# Altium PCB motor2.PcbDoc
Units mil, origin at the board's own origin, x right, y up, seen from the top; angles counter-clockwise.
Board outline 3937.01 x 3937.01 mil, 2 copper layers (Top Layer, Bottom Layer); 113 components, 81 nets, 368 pads, 290 vias.
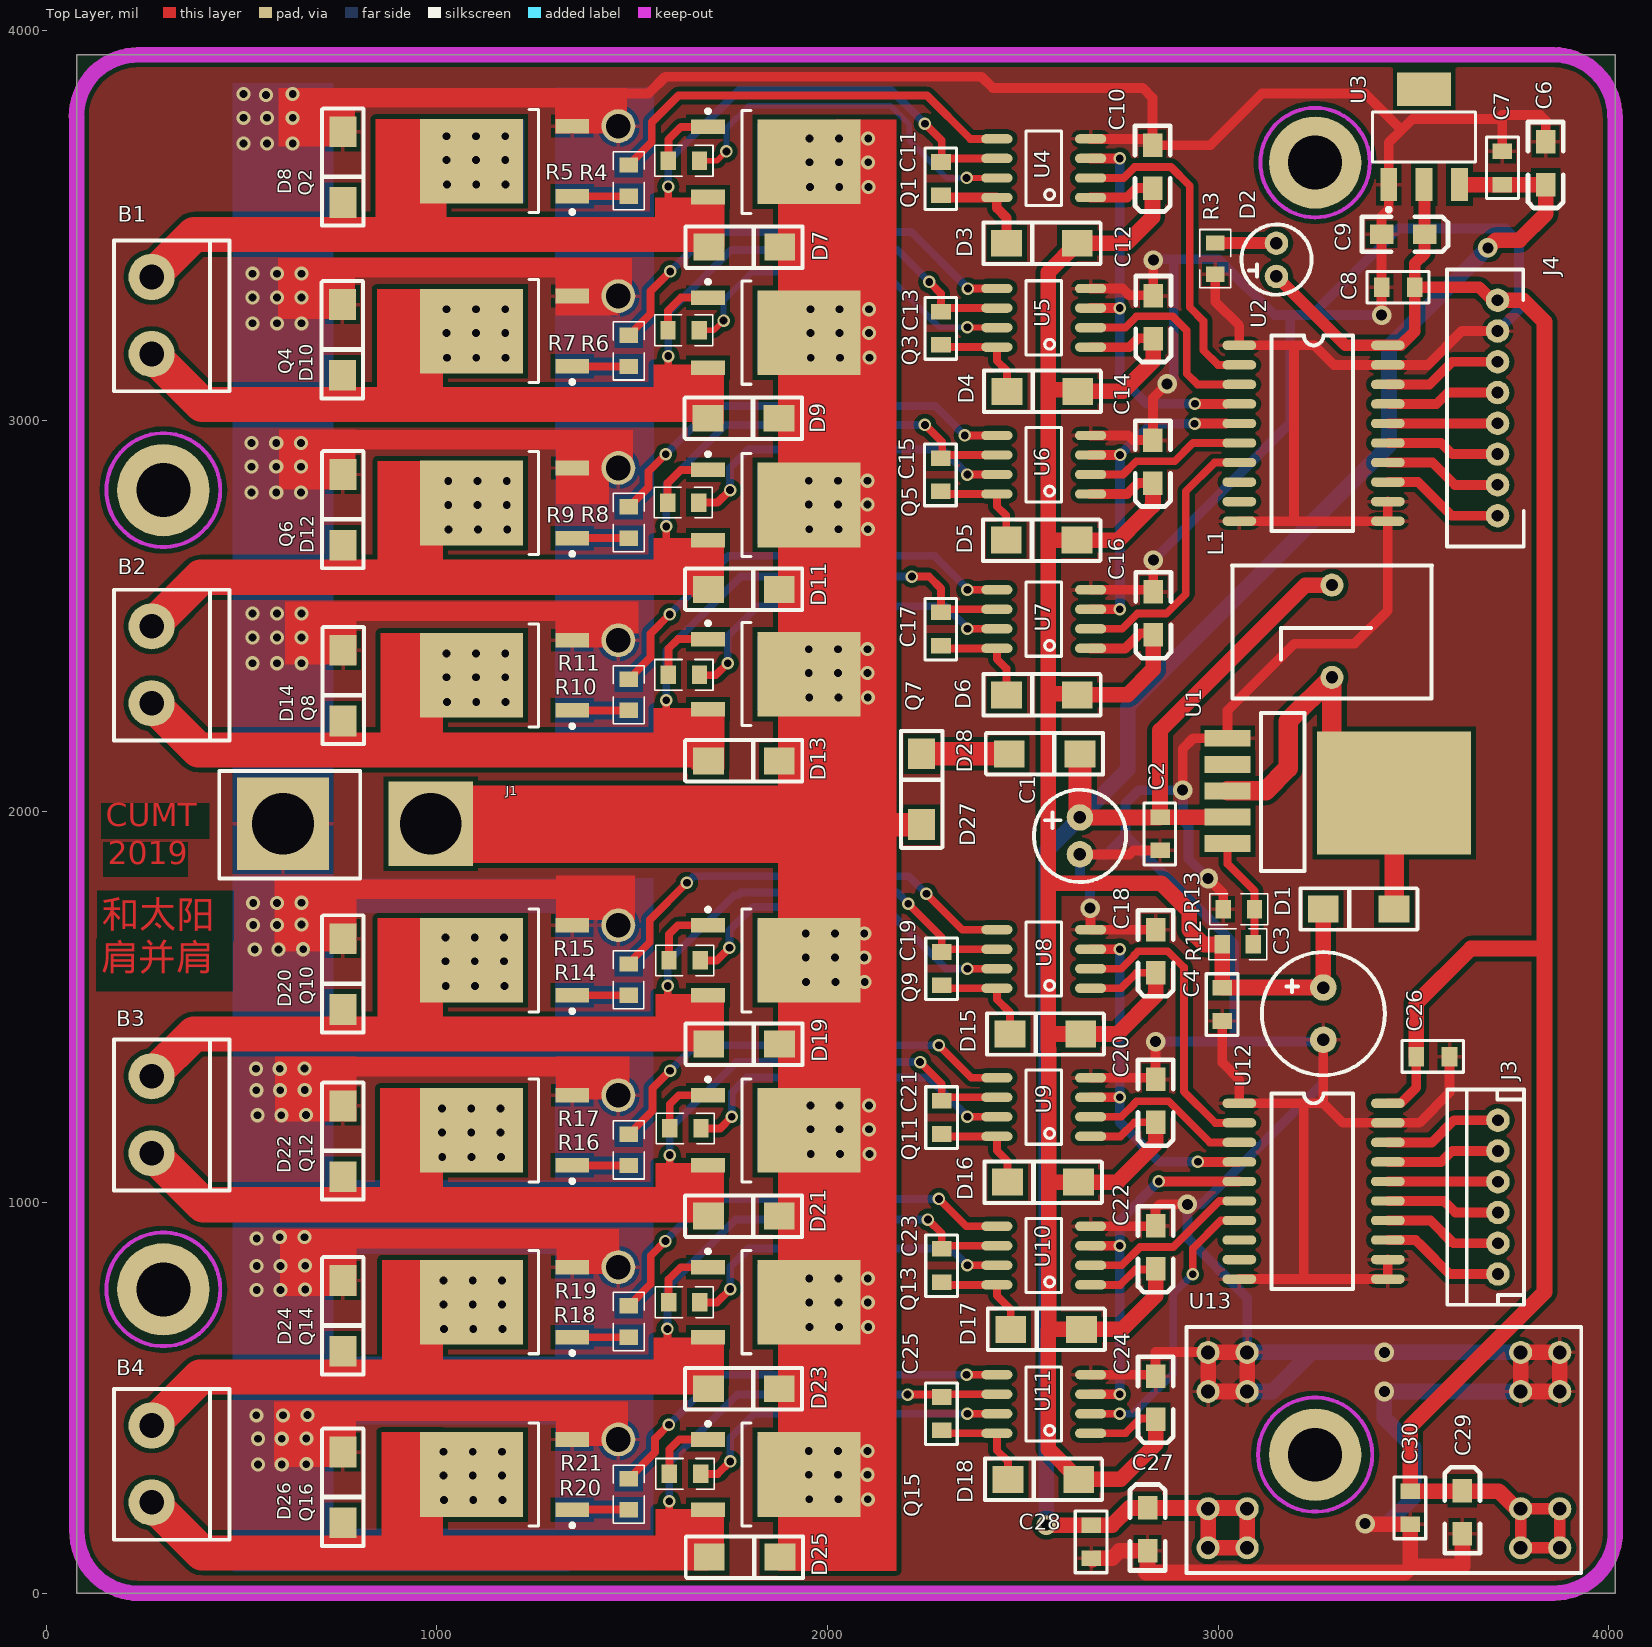
[diagram p0: Top Layer view]
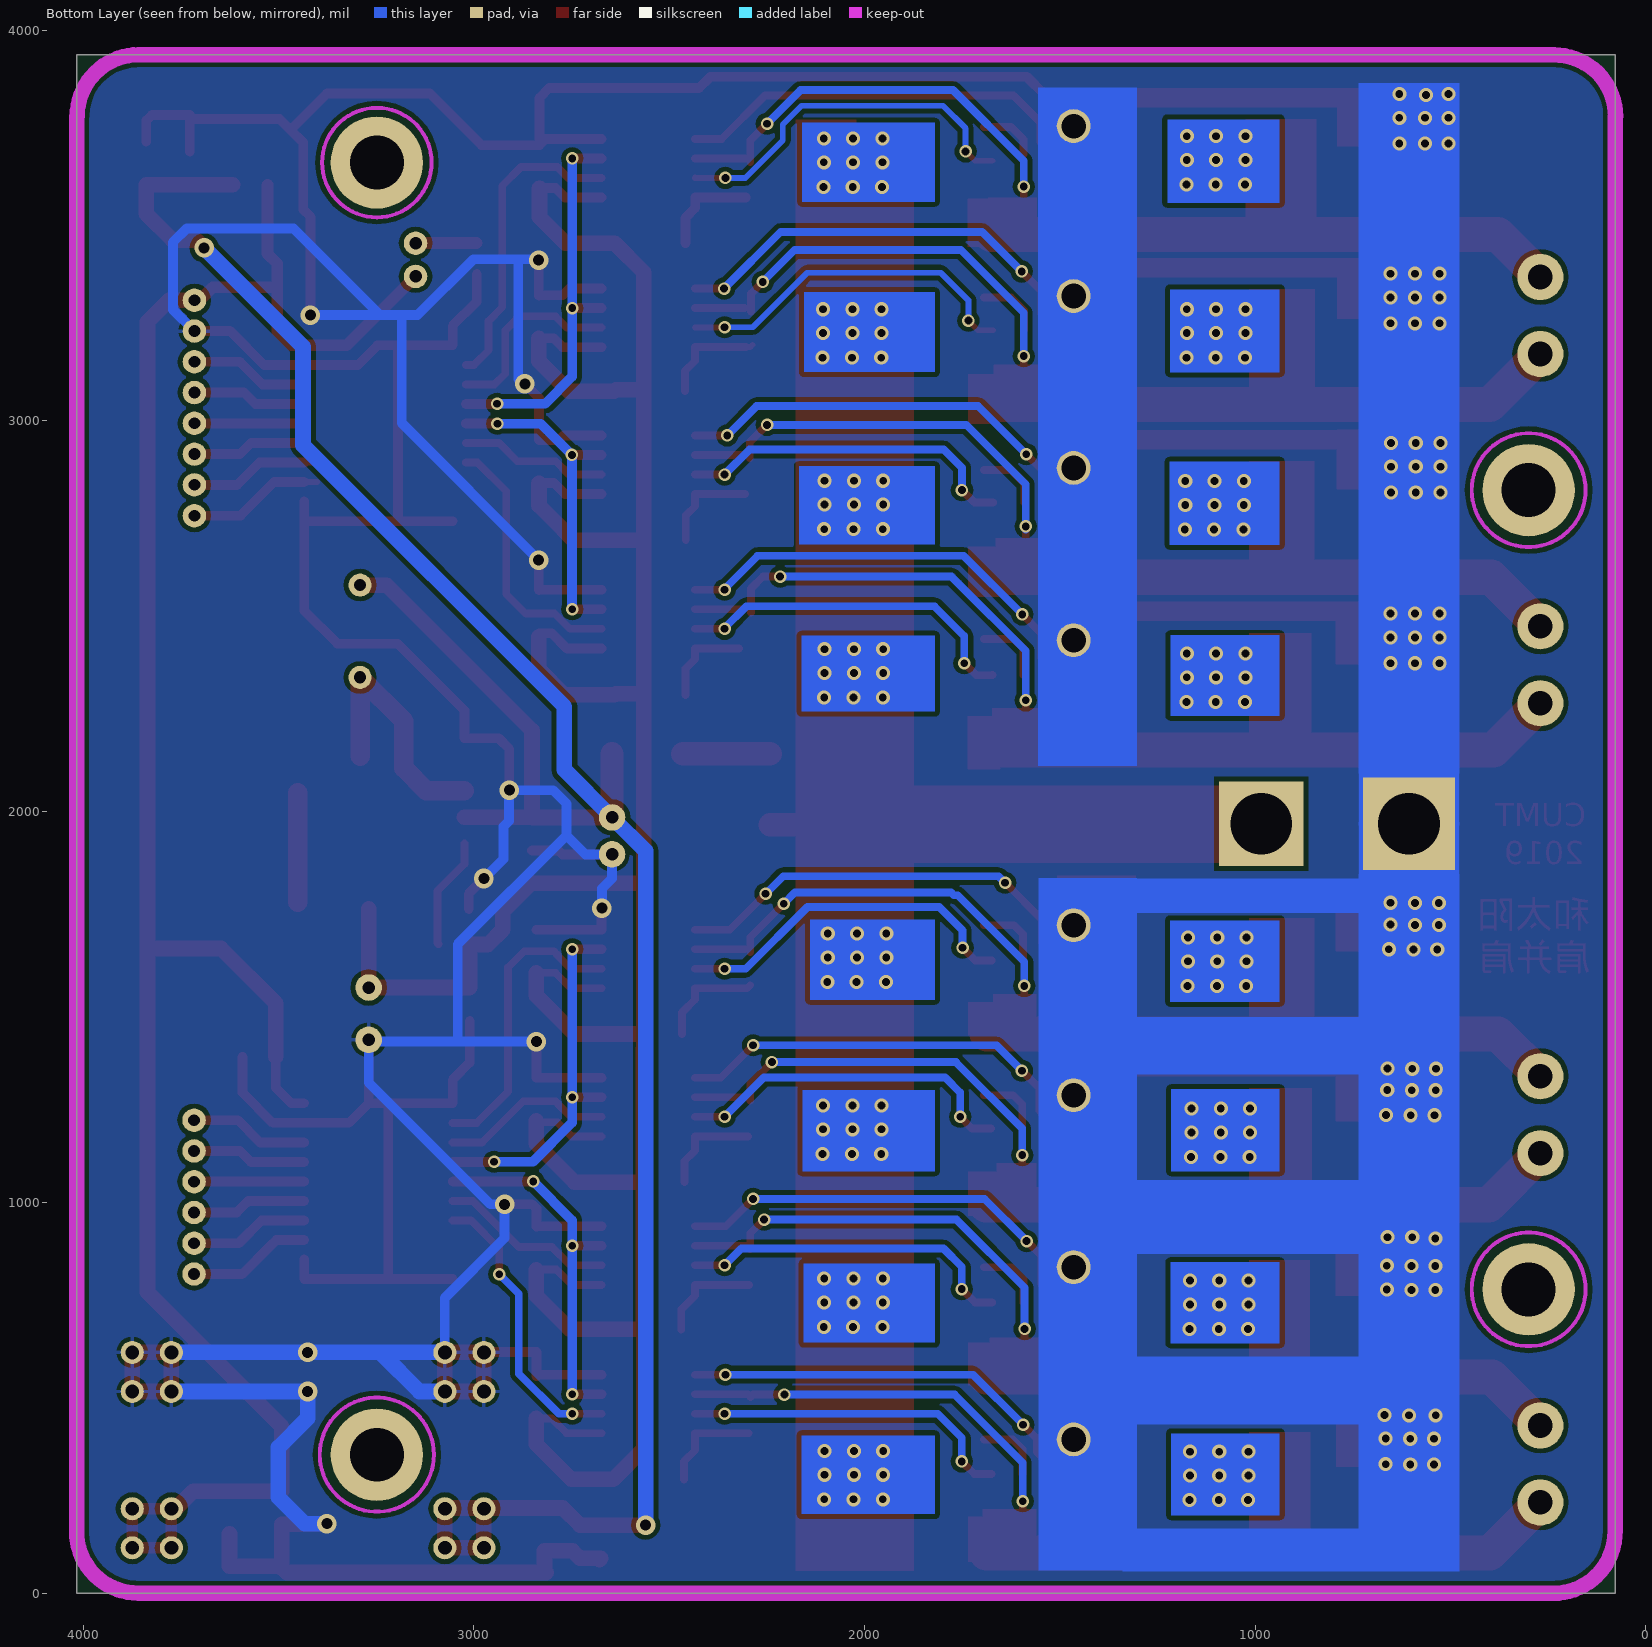
[diagram p1: Bottom Layer view, seen from below]
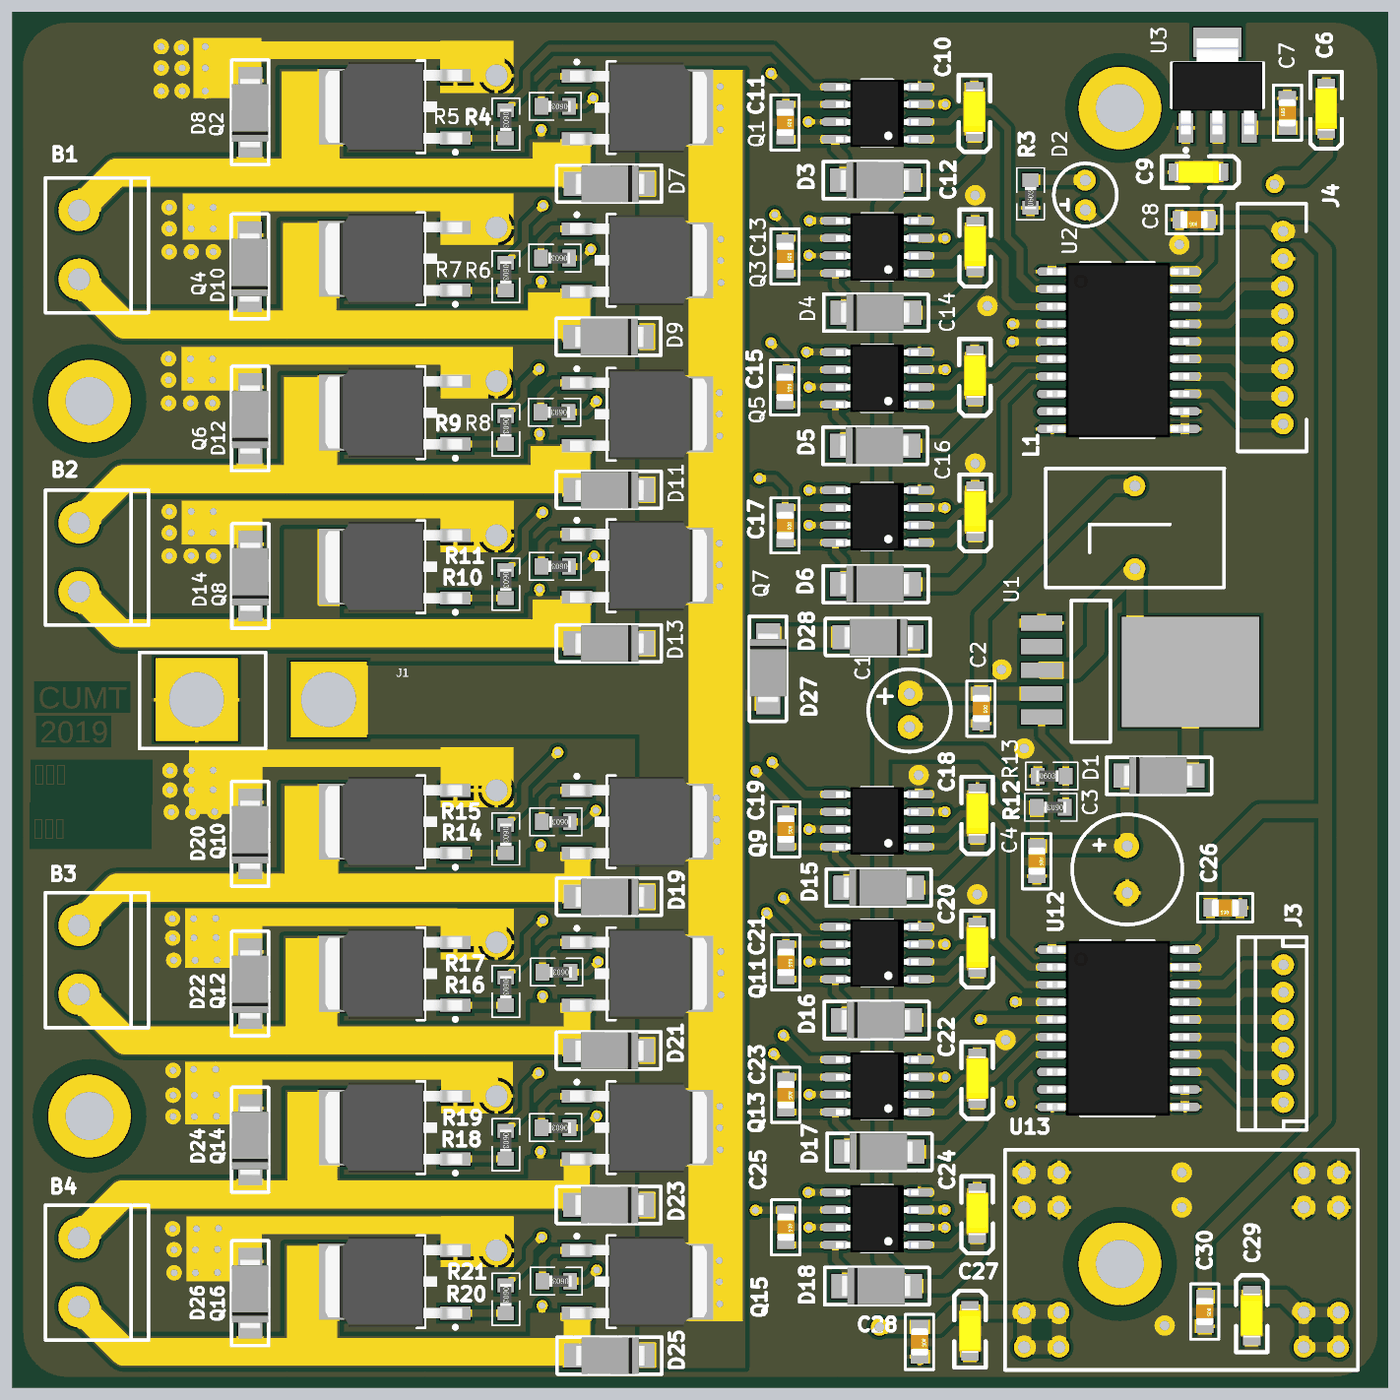
[diagram p2: 3D render of the assembled board from above, using the file's embedded part models]

## Layer stack, top to bottom
Top Solder: solder mask 0.4, Solder Resist, Dk 3.5
Top Layer: signal copper 1.4
Dielectric1: dielectric 12.6, FR-4, Dk 4.8
Bottom Layer: signal copper 1.4
Bottom Solder: solder mask 0.4, Solder Resist, Dk 3.5

## Board outline
78.74,3937.01 4015.75,3937.01 4015.75,0 78.74,0

## Design rules (kind name [scope] priority, off if disabled: settings)
Clearance [All] p1: gap=12 ignorepadtopadclearanceinfootprint=FALSE except(0: Arc-Hole Track-Hole SMDPad-Hole THPad-Hole Via-Hole Fill-Hole Poly-Hole Region-Hole Text-Hole)
FabricationTestpoint [(IsPad And (OnTopLayer Or OnBottomLayer))] p1: side=3 testpointundercomponent=TRUE minsize=40 maxsize=100 preferedsize=60 minholesize=0 maxholesize=40 preferedholesize=32 testpointgrid=1 allowsidetop=TRUE allowsidebottom=TRUE usegrid=TRUE gridtolerance=0.01
HoleSize [All] p1: absolutevalues=TRUE maxlimit=196.85 minlimit=1 maxpercent=80.000 minpercent=20.000
PolygonConnect PolygonConnect_1 [IsVia] p1: connectstyle=Direct reliefconductorwidth=10 reliefentries=4 polygonreliefangle="90 Angle" airgapwidth=10
PolygonConnect [All] p2: connectstyle=Relief reliefconductorwidth=10 reliefentries=4 polygonreliefangle="90 Angle" airgapwidth=10
RoutingVias [All] p1: holewidth=12 width=20 viastyle="Through Hole" minholewidth=10 minwidth=16 maxholewidth=44 maxwidth=50
SilkToSolderMaskClearance SilkscreenOverComponentPads [IsPad] p1: minsilkscreentomaskgap=10 clearancetoexposedcopper=TRUE
SolderMaskExpansion [All] p1: expansion=4
Width GND [InNet('GND')] p1: maxlimit=400 minlimit=10 preferedwidth=20 minimp=50.000000 maximp=50.000000 favimp=50.000000
Width POWER [InNet('BAT','12V','3.3V')] p2: maxlimit=400 minlimit=10 preferedwidth=20 minimp=50.000000 maximp=50.000000 favimp=50.000000
Width [All] p3: maxlimit=200 minlimit=10 preferedwidth=20 minimp=50.000000 maximp=50.000000 favimp=50.000000
27 further rules are at their usual default settings.

## Components (designator, comment, footprint, x,y, rotation, side; value= is the part's Value field where it differs from the comment)
B1 "Motor" "Con 2接线端子" 270,3270 r270 top
B2 "Motor" "Con 2接线端子" 270,2376 r270 top
B3 "Motor" "Con 2接线端子" 270,1224.5 r270 top
B4 "Motor" "Con 2接线端子" 270,330.5 r270 top
C1 "Cap Pol1" C6X12 2646,1938 r90 top
C2 "104" 0805C 2851,1986 r270 top
C3 "Cap Pol1" C8X12 3269,1483 r90 top
C4 "104" 0805C 3010.34,1549.34 r270 top
C6 "Cap Pol1" 3216 3838,3660 r270 top
C7 "104" 0805c 3727,3605 r90 top
C8 "104" 0805c 3503,3342 r180 top
C9 "Cap Pol1" 3216 3473,3478 r0 top
C10 "Cap Pol1" 3216 2831.85,3651 r270 top
C11 "1.5uF" 0805C 2290.35,3663 r270 top
C12 "Cap Pol1" 3216 2833.85,3266 r270 top
C13 "1.5uF" 0805C 2290.35,3280 r270 top
C14 "Cap Pol1" 3216 2832.85,2896 r270 top
C15 "1.5uF" 0805C 2289.35,2905 r270 top
C16 "Cap Pol1" 3216 2833.85,2508 r270 top
C17 "1.5uF" 0805C 2290.35,2510 r270 top
C18 "Cap Pol1" 3216 2839.72,1643 r270 top
C19 "1.5uF" 0805C 2292.35,1641 r270 top
C20 "Cap Pol1" 3216 2839.72,1260 r270 top
C21 "1.5uF" 0805C 2292.35,1260 r270 top
C22 "Cap Pol1" 3216 2839.72,885 r270 top
C23 "1.5uF" 0805C 2292.35,881 r270 top
C24 "Cap Pol1" 3216 2839.72,500 r270 top
C25 "1.5uF" 0805C 2292,502 r270 top
C26 "104" 0805C 3592,1373 r180 top
C27 "Cap Pol1" 3216 2819,163 r90 top
C28 "104" 0805c 2675,174 r270 top
C29 "Cap Pol1" 3216 3625,207 r90 top
C30 "104" 0805c 3491,261 r270 top
D1 "IN5824" "DO-214  贴片二极管" 3450.1,1751 r180 top
D2 "RED" 3MM_LED 3149,3410 r90 top
D3 "IN5819" "DO-214  贴片二极管" 2639.35,3455 r180 top
D4 "IN5819" "DO-214  贴片二极管" 2640.35,3076 r180 top
D5 "IN5819" "DO-214  贴片二极管" 2638.35,2695 r180 top
D6 "IN5819" "DO-214  贴片二极管" 2639.35,2299 r180 top
D7 "IN5819" "DO-214  贴片二极管" 1696.35,3445 r0 top
D8 "IN5819" "DO-214  贴片二极管" 759.35,3740 r270 top
D9 "IN5819" "DO-214  贴片二极管" 1694.35,3007 r0 top
D10 "IN5819" "DO-214  贴片二极管" 758.35,3298 r270 top
D11 "IN5819" "DO-214  贴片二极管" 1695.35,2569 r0 top
D12 "IN5819" "DO-214  贴片二极管" 759.35,2863 r270 top
D13 "IN5819" "DO-214  贴片二极管" 1695.35,2130 r0 top
D14 "IN5819" "DO-214  贴片二极管" 760.35,2413 r270 top
D15 "IN5819" "DO-214  贴片二极管" 2648,1431 r180 top
D16 "IN5819" "DO-214  贴片二极管" 2642,1052 r180 top
D17 "IN5819" "DO-214  贴片二极管" 2650,675 r180 top
D18 "IN5819" "DO-214  贴片二极管" 2643,291 r180 top
D19 "IN5819" "DO-214  贴片二极管" 1696,1405 r0 top
D20 "IN5819" "DO-214  贴片二极管" 759.35,1675 r270 top
D21 "IN5819" "DO-214  贴片二极管" 1695,965 r0 top
D22 "IN5819" "DO-214  贴片二极管" 759.35,1247 r270 top
D23 "IN5819" "DO-214  贴片二极管" 1695,523 r0 top
D24 "IN5819" "DO-214  贴片二极管" 759.35,800 r270 top
D25 "IN5819" "DO-214  贴片二极管" 1697,92 r0 top
D26 "IN5819" "DO-214  贴片二极管" 759.35,361 r270 top
D27 "IN5819" "DO-214  贴片二极管" 2241,1967 r90 top
D28 "IN5819" "DO-214  贴片二极管" 2465,2148 r0 top
J1 "PowerIn" T型公头 833,1969 r180 top
J3 "Header 6" PH2.0-6P 3586,738 r90 top
J4 "Header 8" PH2.0-8P 3715,2764 r90 top
L1 "Inductor" L33uf 3291,2580 r270 top
Q1 "IR7843" TO-252 1867.35,3663 r0 top
Q2 "IR7843" TO-252 1173.35,3665 r180 top
Q3 "IR7843" TO-252 1867.35,3226 r0 top
Q4 "IR7843" TO-252 1173.35,3230 r180 top
Q5 "IR7843" TO-252 1867.35,2785 r0 top
Q6 "IR7843" TO-252 1173.35,2790 r180 top
Q7 "IR7843" TO-252 1867.35,2352 r0 top
Q8 "IR7843" TO-252 1173.35,2349 r180 top
Q9 "IR7843" TO-252 1867.35,1619.5 r0 top
Q10 "IR7843" TO-252 1173.35,1619.5 r180 top
Q11 "IR7843" TO-252 1867.35,1184.5 r0 top
Q12 "IR7843" TO-252 1173.35,1184.5 r180 top
Q13 "IR7843" TO-252 1867.35,744.5 r0 top
Q14 "IR7843" TO-252 1173.35,744.5 r180 top
Q15 "IR7843" TO-252 1867.35,303.5 r0 top
Q16 "IR7843" TO-252 1173.35,303.5 r180 top
R3 "Res2" 0603 3005,3374 r90 top
R4 "Res2" 0603 1674.35,3679 r180 top
R5 "Res2" 0603 1478.35,3657 r270 top
R6 "Res2" 0603 1673.35,3245 r180 top
R7 "Res2" 0603 1478.35,3221 r270 top
R8 "Res2" 0603 1672.35,2804 r180 top
R9 "Res2" 0603 1478.35,2782 r270 top
R10 "Res2" 0603 1674.35,2363 r180 top
R11 "Res2" 0603 1478.35,2341 r270 top
R12 "Res2" 0603 3092.03,1673.54 r180 top
R13 "Res2" 0603 3011,1737.54 r0 top
R14 "Res2" 0603 1676,1632 r180 top
R15 "Res2" 0603 1478,1612 r270 top
R16 "Res2" 0603 1678,1202 r180 top
R17 "Res2" 0603 1478.35,1176 r270 top
R18 "Res2" 0603 1675,757 r180 top
R19 "Res2" 0603 1478.35,737 r270 top
R20 "Res2" 0603 1677,318 r180 top
R21 "Res2" 0603 1478.35,295 r270 top
U1 "XL6009" TO-263 3024,2188 r270 top
U2 "74HC245" SOP20宽体 3244,3014 r0 top
U3 "LM1117" SOT-223 3527,3727 r0 top
U4 "IR2104S" SO8NB 2553.35,3647 r90 top
U5 "IR2104S" SO8NB 2553.35,3264 r90 top
U6 "IR2104S" SO8NB 2553.35,2888 r90 top
U7 "IR2104S" SO8NB 2553.35,2493 r90 top
U8 "IR2104S" SO8NB 2553.35,1623 r90 top
U9 "IR2104S" SO8NB 2553.35,1244 r90 top
U10 "IR2104S" SO8NB 2553.35,864 r90 top
U11 "IR2104S" SO8NB 2553.35,484 r90 top
U12 "74HC245" SOP20宽体 3244,1074 r0 top
U13 "Power-5V" Power 3424,366 r90 top

## Footprints (in the part's own frame and the unit in brackets; to place one, negate y for a bottom-side part, rotate by r counter-clockwise, add the part's x,y. Pads: shape width x height; smd on the part's side, far side on the other; paste and mask are expansions set on the pad)
3MM_LED [mil]
  round 60 hole 32: 1(-40,0) 2(45,0)
  silkscreen extent -87,-90 93,90
0603 [mm]
  rect 1x1.2 smd: 1(0.05,0.325) 2(2.075,0.325)
  silkscreen extent -0.82,-0.67 2.95,1.33, body extent -0.05,-0.08 1.55,0.72, height 0.45
0805C [mil]
  rect 40x50 smd: 1(0,0) 2(85,0)
  silkscreen extent -36,-41 122,40, body extent 3,-25 82,25, height 30
0805c [mil]
  rect 40x50 smd: 1(0,0) 2(85,0)
  silkscreen extent -36,-41 122,40, body extent 3,-25 82,25, height 30
3216 [mil]
  rect 60x50 smd: 1(55,0) 2(-55,0)
  silkscreen extent -105,-45 115,45, body extent -63,-31 63,31, height 63
C6X12 [mil]
  round 68 hole 32: 1(47.24,0) 2(-47.24,0)
  silkscreen extent -118,-118 118,118
C8X12 [mil]
  round 68 hole 32: 1(66.93,0) 2(-66.93,0)
  silkscreen extent -157,-157 157,157
"Con 2接线端子" [mm]
  round 3 hole 1.6: 1(-2.5,0) 2(2.5,0)
  silkscreen extent -4.88,-2.44 4.93,5.05
"DO-214  贴片二极管" [mm]
  rect 2x1.75 smd: 1(0,0) 2(4.6,0)
  silkscreen extent -1.52,-1.35 6.1,1.35, body extent -0.2,-1.34 4.91,1.33, height 2.12
L33uf [mm]
  round 1.5 hole 0.8: 1(0,0) 2(6,0)
  silkscreen extent -1.27,-6.5 7.37,6.5
PH2.0-6P [mil]
  round 60 hole 30: 1(78.74,-129.92) 2(157.48,-129.92) 3(236.22,-129.92) 4(314.96,-129.92) 5(393.7,-129.92) 6(472.44,-129.92)
  silkscreen extent 0,-197 551,0
PH2.0-8P [mil]
  round 60 hole 30: 1(-6.26,0.08) 2(72.48,0.08) 3(151.22,0.08) 4(229.96,0.08) 5(308.7,0.08) 6(387.44,0.08) 7(466.18,0.08) 8(544.92,0.08)
  silkscreen extent -85,-67 624,130
Power [mm]
  round 1.5 hole 0.9: 1(-6.35,8.89) 1(-6.35,11.43) 1(-3.81,8.89) 1(-3.81,11.43) 2(3.81,8.89) 2(3.81,11.43) 2(6.35,8.89) 2(6.35,11.43) 3(-6.35,-11.43) 3(-6.35,-8.89) 3(-3.81,-11.43) 3(-3.81,-8.89) 4(3.81,-11.43) 4(3.81,-8.89) 4(6.35,-11.43) 4(6.35,-8.89)
  silkscreen extent -8,-12.83 8,12.83
SO8NB [mil]
  oval 24x80 smd: 1(-75,-120) 2(-25,-120) 3(25,-120) 4(75,-120) 5(75,120) 6(25,120) 7(-25,120) 8(-75,120)
  silkscreen extent -95,-45 95,45, body extent -97,-118 96,118, height 61
SOP20宽体 [mm]
  oval 2.2x0.61 smd: 1(-4.825,4.563) 2(-4.825,3.293) 3(-4.825,2.023) 4(-4.825,0.753) 5(-4.825,-0.517) 6(-4.825,-1.787) 7(-4.825,-3.057) 8(-4.825,-4.327) 9(-4.825,-5.597) 10(-4.825,-6.867) 11(4.827,-6.867) 12(4.827,-5.597) 13(4.827,-4.327) 14(4.827,-3.057) 15(4.827,-1.787) 16(4.827,-0.517) 17(4.827,0.753) 18(4.827,2.023) 19(4.827,3.293) 20(4.827,4.563)
  silkscreen extent -2.74,-7.5 2.57,5.2, body extent -5.21,-7.5 5.13,5.2, height 2.65
SOT-223 [mm] "SOT-223/SC-73; 4 Leads; Body 6.7 x 7.3 mm, inc. leads (LxW max)"
  rect 1.1x2.15 smd: 1(-2.3,-3.1) 2(0,-3.1) 3(2.3,-3.1)
  rect 3.5x2.15 smd: 4(0,3.1)
  silkscreen extent -3.35,-4.85 3.35,1.63, body extent -3.25,-3.58 3.25,3.38, height 1.65
TO-252 [mm] "D-PAK, 4-Leads, Body 6.1x6.5mm, Pitch 2.28mm, Lead Span 9.8mm, IPC Low Density"
  rect 2.2x0.95 smd: 1(-4.4,2.28) 3(-4.4,-2.28)
  rect 6.7x5.5 smd: 2(2.15,0)
  silkscreen extent -4.52,-3.35 -1.6,3.43, body extent -4.9,-3.27 5.04,3.27, height 2.39
TO-263 [mm]
  rect 1.1x3 smd: 1(0,0) 2(1.71,0) 3(3.42,0) 4(5.13,0) 5(6.84,0)
  rect 8x10 smd: 3(3.556,10.823)
  silkscreen extent -1.65,2.16 8.64,5
T型公头 [mm]
  rect 5.5x5.5 hole 4: 1(-3.842,0)
  rect 6x6 hole 4: 2(5.758,0)
  silkscreen extent 0.74,-3.43 9.91,3.56

## Part data
B1 B2 B3 B4: library part "Motor Servo", "Servo Motor"
C1 C3 C6 C9 C10 C12 C14 C16 C18 C20 C22 C24 C27 C29: "Polarized Capacitor (Radial)"
C2 C4 C7 C8 C11 C13 C15 C17 C19 C21 C23 C25 C26 C28 C30: library part Cap, "Capacitor"
D1 D3 D4 D5 D6 D7 D8 D9 D10 D11 D12 D13 D14 D15 D16 D17 D18 D19 D20 D21 D22 D23 D24 D25 D26 D27 D28: library part Diode, "Default Diode"
D2: library part LED2, "Typical RED, GREEN, YELLOW, AMBER GaAs LED"
J1: library part "Header 2", "Header, 2-Pin"
J3: "Header, 6-Pin"
J4: "Header, 8-Pin"
Q1 Q2 Q3 Q4 Q5 Q6 Q7 Q8 Q9 Q10 Q11 Q12 Q13 Q14 Q15 Q16: library part NMOS-2, "N-Channel Power MOSFET"
R3 R4 R5 R6 R7 R8 R9 R10 R11 R12 R13 R14 R15 R16 R17 R18 R19 R20 R21: "Resistor"
U2 U12: library part 74lvc245, "8位5伏转3.3伏电平转换芯片"
U3: library part ASM1117
U13: library part Power

## Free pads (board coordinates)
  round 236.22 hole 137.8: 1(3248.03,3661.42) 2(3248.03,354.33) 3(300,777.5) 4(300,2823)
  round 86.61 hole 62.99: 5(1464.57,393.26) 6(1464.57,834.26) 7(1464.57,1274.26) 8(1464.57,1709.26) 9(1464.57,2438.76) 10(1464.57,2879.76) 11(1464.57,3319.76) 12(1464.57,3754.76)

## Via types
v1: diameter 36, hole 20, Top Layer to Bottom Layer, 216 vias
v2: diameter 32, hole 20, Top Layer to Bottom Layer, 60 vias
v3: diameter 50, hole 28, Top Layer to Bottom Layer, 13 vias
v4: diameter 50, hole 28, Top Layer to Bottom Layer, tented bottom, 1 vias
